# Altium PCB LOGTURTLE_APR_25_TX.PcbDoc (part 5 of 5)
Units mm, origin at the board's own origin, x right, y up, seen from the top; angles counter-clockwise.
Board outline 161.1 x 125.7 mm, 6 copper layers (Top Layer, Mid-Layer 1, Mid-Layer 2, Mid-Layer 3, Mid-Layer 4, Bottom Layer), stack 1.771 mm thick; 253 components, 174 nets, 811 pads, 5842 vias.
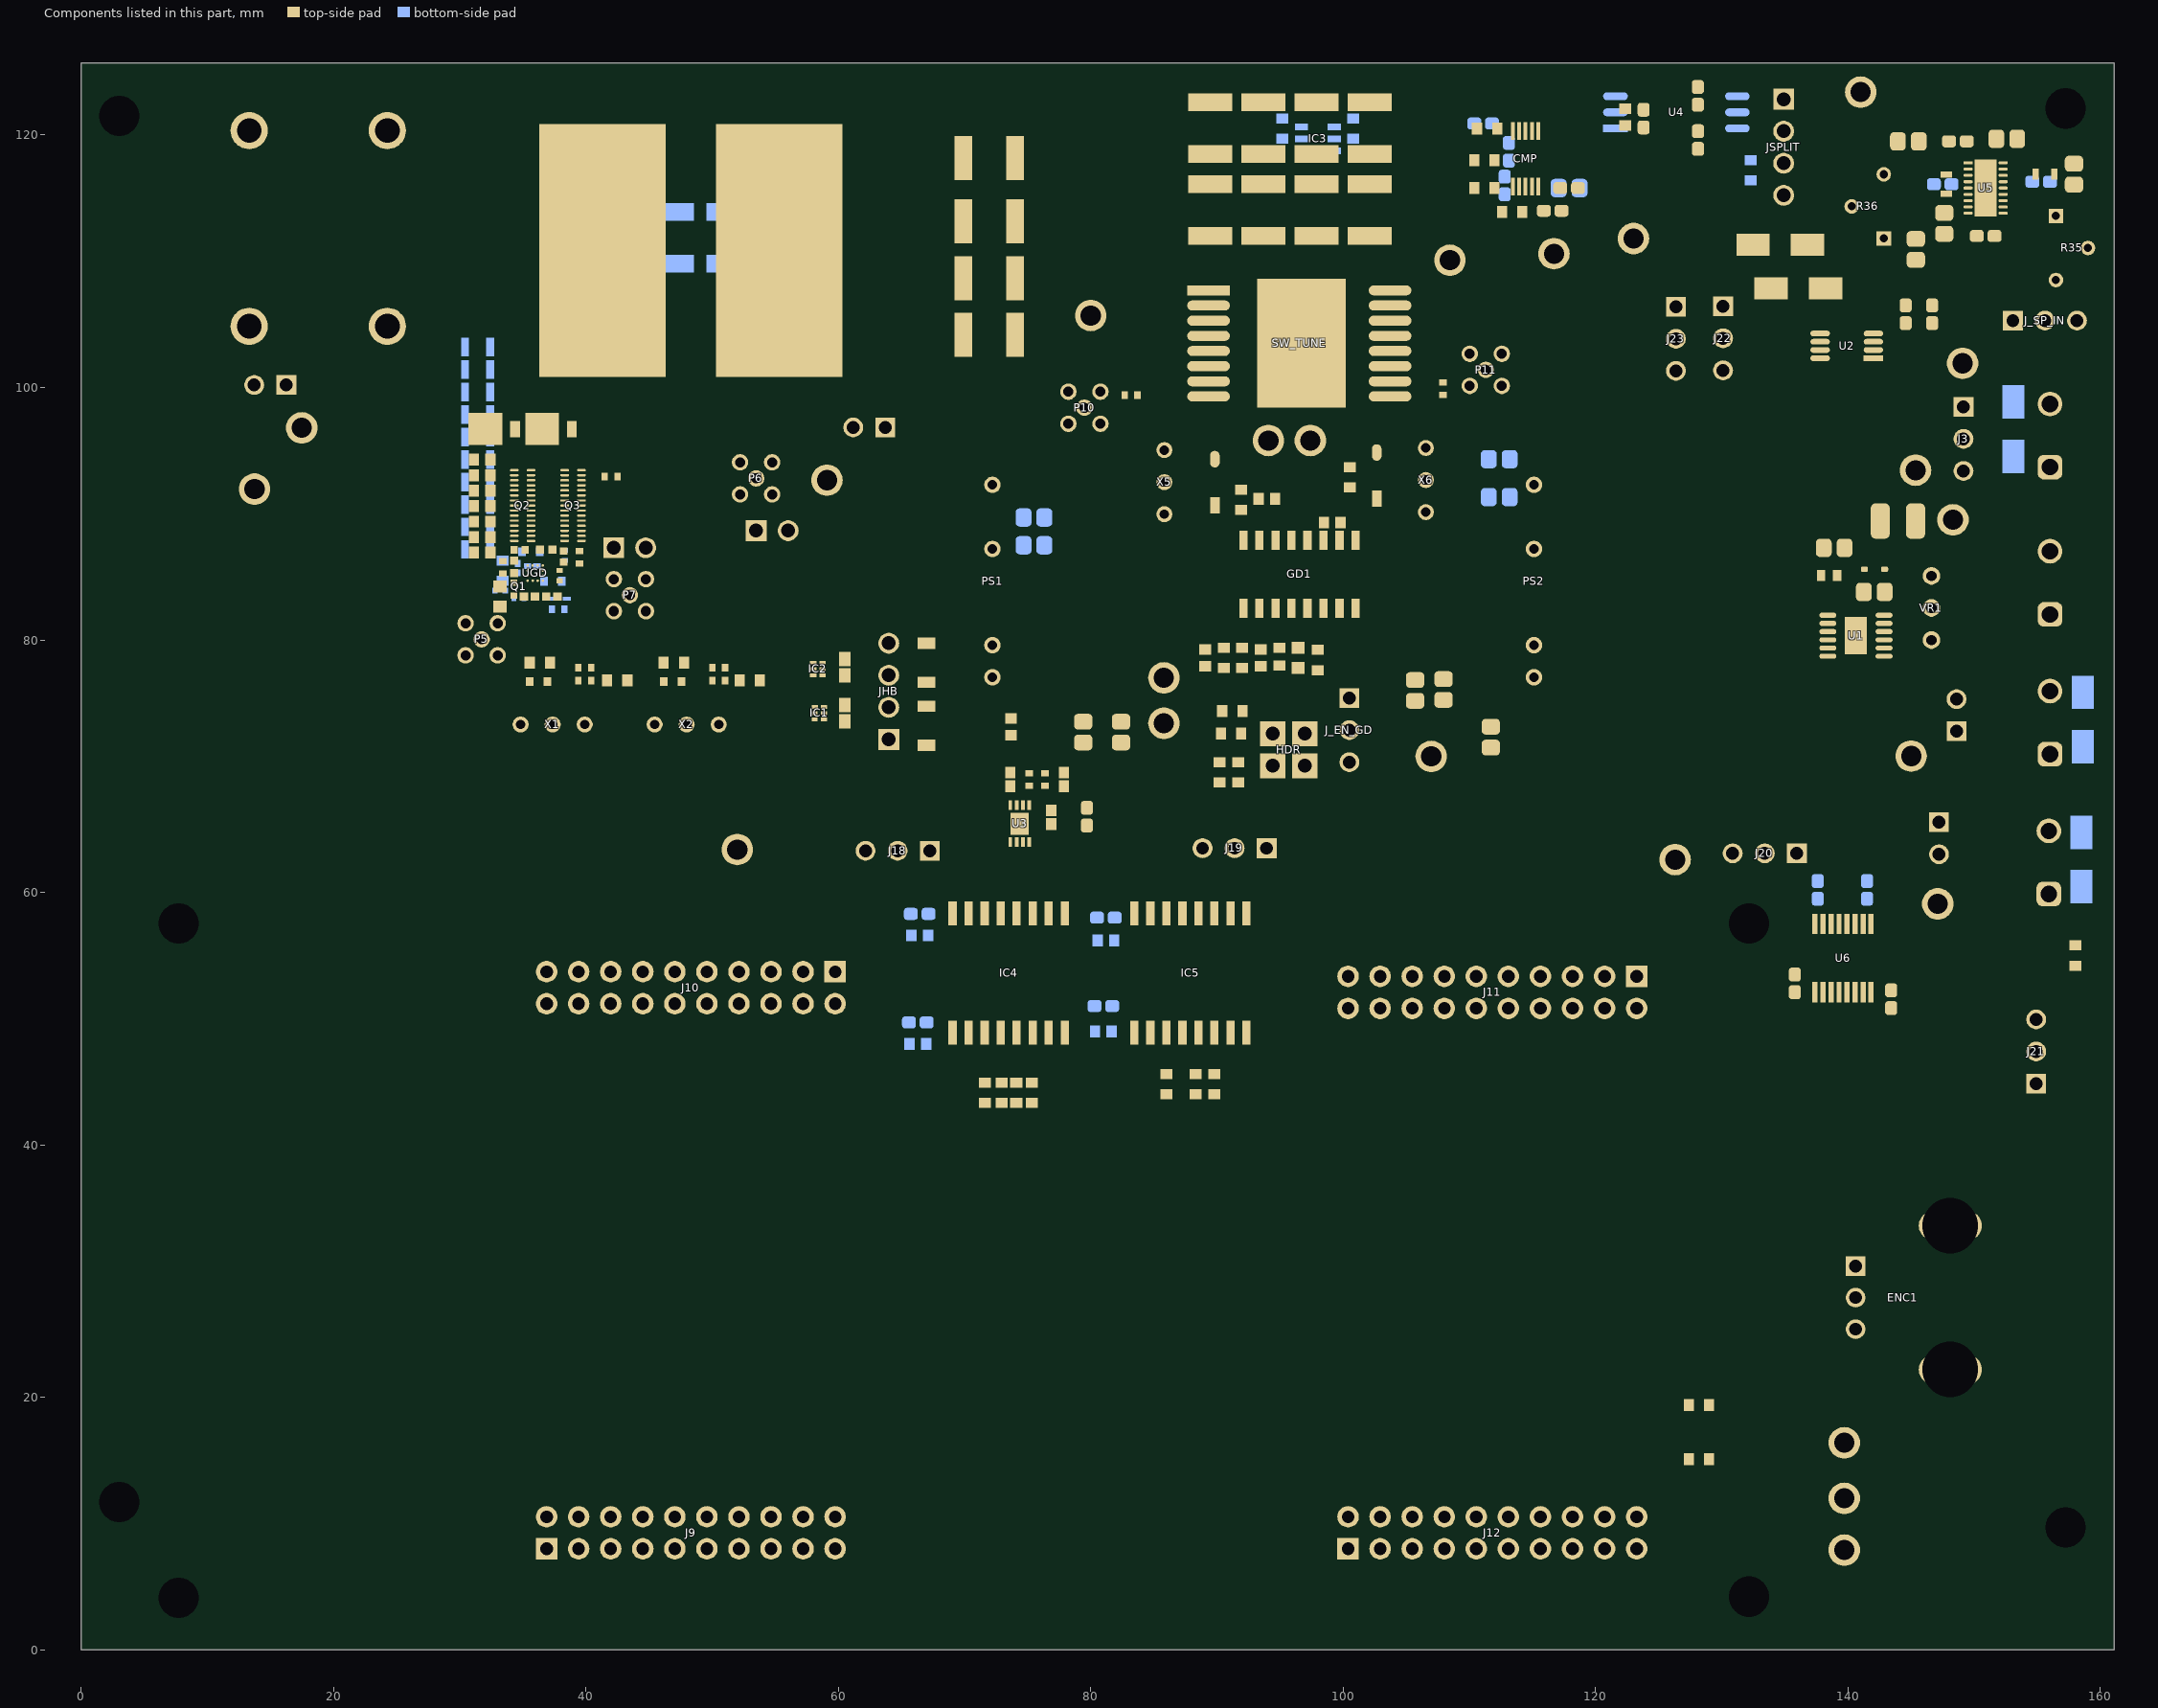
[diagram p9: the components of this part, seen from the top]

## Polygon pours and split planes (outlines as drawn)
S2 on Top Layer "NONET_L01_P-001" (solid, pour order 275): 0,125.7 0,55.3 161.1,55.3 161.1,125.7
S1 on Top Layer "S1_L01_P076" (solid, remove dead copper, pour order 76): 69.35,84.6 95.6,84.6 95.6,98.2 92.7,98.2 92.7,100.9 69.35,100.9
AVDD5V on Top Layer "AVDD5V_L01_P242" (solid, pour order 242): 69.8,78.3 116.6,78.3 116.6,75.052 cw(c114.06,75.052) 115.856,73.256 110.344,67.744 cw(c105.429,74.679) 104,66.3 76.197,66.12 69.8,72.9
GND on Top Layer "NONET_L01_P-001" (solid, pour order 268): 0,54.8 161.1,54.8 161.1,0 0,0
GND on Top Layer "GND_L01_P075" (solid, pour order 75): 0,54.8 161.1,54.8 161.1,0 0,0
SMP1 on Top Layer "SMP1_L01_P230" (solid, pour order 230): 87.7,119.2 87.7,115.4 103.8,115.4 103.8,119.2
NetC1_2 on Top Layer "NONET_L01_P-001" (solid, pour order 266): 142.1,81 143.7,81 143.7,84.195 143.695,84.2 146,84.2 146,82.2 145.2,81.4 145.2,78.8 145.1,78.8 144.3,78 142.1,78
NetC63_2 on Top Layer "NETC63_2_L01_P265" (solid, pour order 265): 145.2,120.2 147.4,120.2 147.4,119.3 149.9,116.8 149.9,115.95 147.55,115.95 145.2,118.2
ADJ- on Top Layer "ADJ-_L01_P251" (solid, pour order 251): 149.7,115.6 146,115.6 146,114.6 149.7,114.6
NetC63_2 on Top Layer "NETC63_2_L01_P264" (solid, pour order 264): 152,115.6 153.7,115.6 155.1,114.2 156.7,104.3 154.6,104.3 152,106.9
SW on Top Layer "SW_L01_P077" (solid, pour order 77): 49.7,125.4 49.7,100.5 51.1,100.5 51.1,95.9 62.5,95.9 62.7,95.7 67,95.7 67,98.2 70.6,101.8 70.6,125.4
S2 on Top Layer "S2_L01_P227" (solid, pour order 227): 102,108.1 103.422,109.522 112.786,109.522 112.786,109.514 115.1,107.2 118.6,107.2 118.6,88.2 115.662,85.262 110.846,85.262 110.846,95.754 105.3,101.3 102,101.3
LDO+ on Top Layer "LDO+_L01_P259" (solid, pour order 259): 158.5,118.3 152,118.3 152,116.8 152.1,116.9 157.6,117.1
ADJ+ on Top Layer "ADJ+_L01_P258" (solid, pour order 258): 152.573,116.85 154.323,115.1 155,115.1 155,116.8
CBST- on Top Layer "CBST-_L01_P257" (solid, pour order 257): 149.8,117.8 149.8,119.9 149.1,119.9 148.9,119.5 148.869,119.331 148.869,117.8
SP+ on Top Layer "SP+_L01_P256" (solid, pour order 256): 152.1,117.9 153,118.8 153,120.3 154.2,120.3 154.3,120.2 154.3,117.9
LDO- on Top Layer "LDO-_L01_P250" (solid, pour order 250): 149.509,114.8 146.9,114.8 146.9,113.3 148.5,113.3
S2 on Top Layer "Top Layer-GND 2" (solid, pour order 214): 15.075,125.7 15.075,69.776 65.875,69.776 65.875,125.7
S2 on Top Layer "S2_L01_P231" (solid, pour order 231): 87.7,121.9 87.7,124.1 103.9,124.1 103.9,121.9
S1 on Top Layer "S1_L01_P215" (solid, pour order 215): 74.4,119.9 76.3,119.9 80.433,116.516 91.3,110.72 91.3,101.218 79.3,101.7 74.5,101.7
VG1 on Top Layer "NONET_L03_P-001" (solid, remove dead copper, pour order 78): 33.5,87.2 33.5,87.925 34.725,87.925 34.725,85.95 33.125,85.95 33.125,86.7
VIN on Top Layer "NONET_L03_P-001" (solid, remove dead copper, pour order 79): 31.725,94.7 31.725,86.475 33,86.475 33,94.7 33.15,94.7
VSW on Top Layer "Top Layer-VSW 1" (solid, pour order 80): 38.118,97.589 38.118,95.101 cw(c38.054,95.101) 38.099,95.056 ccw(c38.099,94.857) 37.9,94.857 37.9,87.625 34.108,87.625 34.108,97.589
VSW on Top Layer "Top Layer-VSW 2" (solid, pour order 82): 46.299,125.629 46.301,100.256 38.578,100.256 ccw(c38.578,99.796) 38.118,99.796 38.118,97.574 34.108,97.574 34.108,101.705 cw(c35.926,101.706) 34.634,102.984 ccw(c33.055,104.546) 35.275,104.546 35.275,125.74
S2 on Top Layer "Top Layer-GND 1" (solid, pour order 84): 29.5,86.13 34.108,86.13 34.108,95.2 29.5,95.2
VG2 on Top Layer "NONET_L03_P-001" (solid, remove dead copper, pour order 212): 37.025,87.475 37.9,88.35 38.65,88.35 38.65,87.775 39.775,87.3 39.746,86.75 37.025,86.75
S2 on Mid-Layer 1 "S2_L02_P276" (solid, pour order 276): 0,125.7 0,55.3 161.1,55.3 161.1,125.7
S2 on Mid-Layer 1 "S2_L02_P269" (solid, pour order 269): 10.4,69.769 65.641,69.769 65.641,84.142 119,84.142 119,107.5 115.3,107.5 109.6,113.2 87.6,113.2 84.2,116.6 84.2,125.7 160.49,125.7 160.5,125.69 160.5,-5.3 10.4,-5.3
S1 on Mid-Layer 1 "S1_L02_P104" (solid, pour order 104): 69.35,84.6 95.6,84.6 95.6,98.2 92.7,98.2 92.7,100.9 69.35,100.9
GND on Mid-Layer 1 "GND_L02_P103" (solid, pour order 103): 0,54.8 161.1,54.8 161.1,0 0,0
S2 on Mid-Layer 1 "Mid-Layer 1-GND " (solid, pour order 226): 10.4,125.7 10.4,69.769 65.641,69.769 65.641,125.7
VSW on Mid-Layer 1 "Mid-Layer 1-VSW 2" (solid, pour order 105): 35.9,85.742 33.334,85.742 ccw(c33.334,85.554) 33.146,85.554 33.146,85.426 cw(c33.066,85.426) 33.066,85.346 32.687,85.346 32.62,85.344 ccw(c32.619,85.255) 32.557,85.318 32.217,85.014 ccw(c32.387,84.844) 32.146,84.844 32.146,83.026 cw(c31.463,83.026) 31.946,82.544 31.7,82.297 cw(c30.846,83.151) 30.846,81.944 30.329,81.944 30.187,81.944 ccw(c30.187,81.502) 29.746,81.502 29.746,78.251 ccw(c30.054,78.251) 30.054,77.944 33.405,77.944 ccw(c33.405,78.285) 33.746,78.285 33.736,82.502 cw(c34.779,82.502) 34.042,83.239 34.109,83.307 cw(c34.154,83.263) 34.154,83.325 34.2,83.325 ccw(c34.2,83.886) 34.596,83.489 35.575,84.468 ccw(c35.405,84.641) 35.648,84.639 35.648,84.874 cw(c35.73,84.874) 35.672,84.933 cw(c35.76,84.933) 35.698,84.996 35.975,85.273 35.992,85.29 ccw(c35.862,85.42) 36.046,85.42 36.046,85.596 ccw(c35.9,85.596)
VSW on Mid-Layer 1 "Mid-Layer 1-VSW 3" (solid, pour order 216): 45.546,113.811 45.546,98.213 cw(c44.846,98.213) 44.846,97.513 38.247,97.513 38.247,95.314 34.106,95.314 34.106,101.731 cw(c35.779,101.731) 34.596,102.914 ccw(c33.026,104.484) 35.246,104.484 35.246,125.7 45.546,125.7
S2 on Mid-Layer 3 "S2_L04_P278" (solid, pour order 278): 0,125.7 0,55.3 161.1,55.3 161.1,125.7
S2 on Mid-Layer 3 "S2_L04_P271" (solid, pour order 271): 10.4,69.769 65.641,69.769 65.641,84.142 119,84.142 119,107.5 115.3,107.5 109.6,113.2 87.6,113.2 84.2,116.6 84.2,125.7 160.49,125.7 160.5,125.69 160.5,-5.3 10.4,-5.3
S2 on Mid-Layer 3 "S2_L04_P228" (solid, pour order 228): 65.641,125.394 65.641,84.542 118.542,84.542 118.6,84.6 118.6,107.2 115.1,107.2 109.5,112.8 87.4,112.8 83.7,116.5 83.7,125.394 83.394,125.394
GND on Mid-Layer 3 "GND_L04_P118" (solid, pour order 118): 0,54.8 161.1,54.8 161.1,0 0,0
S2 on Mid-Layer 3 "Mid-Layer 3-GND" (solid, pour order 125): 11.45,125.7 11.45,69.89 65.859,69.89 65.859,125.7
VIN on Mid-Layer 3 "Mid-Layer 3-VIN" (solid, remove dead copper, pour order 123): 35.853,87.427 35.853,91.283 35.853,125.7 11.175,125.7 11.175,83.459 35.853,83.459
VSW on Mid-Layer 3 "Mid-Layer 3-VSW 2" (solid, pour order 119): 34.268,102.375 35.5,102.375 35.5,125.694 45.259,125.709 45.259,99.948 34.268,99.948
VSW on Mid-Layer 3 "Mid-Layer 3-VSW 1" (solid, pour order 120): 36.557,85.554 36.557,83.476 cw(c35.638,83.476) 36.288,82.826 31.203,77.741 cw(c31.062,77.883) 30.921,77.741 28.53,80.123 cw(c28.708,80.302) 28.53,80.48 31.466,83.416 cw(c31.971,82.912) 31.971,83.625 32.826,83.625 ccw(c32.826,84.257) 33.274,83.81 33.976,84.512 ccw(c33.509,84.979) 34.169,84.979 34.169,100.058 38.209,100.058 38.209,86.404 cw(c37.673,86.404) 37.673,85.869 36.872,85.869 ccw(c36.872,85.554)
VSW on Mid-Layer 3 "Mid-Layer 3-VSW 1" (solid, pour order 222): 36.656,85.541 36.656,83.464 cw(c35.736,83.464) 36.386,82.814 31.301,77.729 cw(c31.16,77.87) 31.019,77.729 28.629,80.11 cw(c28.807,80.289) 28.629,80.467 31.565,83.403 cw(c32.069,82.899) 32.069,83.612 32.925,83.612 ccw(c32.925,84.245) 33.372,83.798 34.074,84.5 ccw(c33.608,84.966) 34.268,84.966 34.268,100.046 38.307,100.046 38.307,86.392 cw(c37.772,86.391) 37.772,85.856 36.971,85.856 ccw(c36.971,85.541)
S2 on Bottom Layer "S2_L06_P280" (solid, pour order 280): 0,125.7 0,55.3 161.1,55.3 161.1,125.7
S2 on Bottom Layer "S2_L06_P243" (solid, pour order 243): 65.641,125.394 65.641,84.542 118.542,84.542 118.6,84.6 118.6,107.2 115.1,107.2 109.5,112.8 87.4,112.8 83.7,116.5 83.7,125.394 83.394,125.394
GND on Bottom Layer "GND_L06_P128" (solid, pour order 128): 0,54.8 161.1,54.8 161.1,0 0,0
S2 on Bottom Layer "Bottom Layer-GND 3" (solid, pour order 224): 65.468,125.771 2.258,125.771 2.258,69.912 65.468,69.912
BYP- on Bottom Layer "BYP-_L06_P273" (solid, pour order 273): 149.9,116.5 147.794,116.5 147.794,115.4 149.9,115.4
VSW on Bottom Layer "Bottom Layer-VSW 3" (solid, pour order 130): 38.541,99.331 38.541,88.023 cw(c38.248,88.023) 38.248,87.729 34.611,87.729 cw(c34.611,88.209) 34.131,88.209 34.131,101.859 cw(c35.803,101.859) 34.621,103.041 ccw(c33.051,104.611) 35.272,104.611 35.272,125.7 46.362,125.7 46.192,99.989 39.2,99.989 ccw(c39.2,99.331)
VIN on Bottom Layer "Bottom Layer-VIN 1" (solid, pour order 160): 31.957,86.797 33.921,86.797 33.921,101.868 ccw(c33.639,101.868) 33.639,102.15 32.267,102.15 ccw(c32.267,101.841) 31.957,101.841
VIN on Bottom Layer "Bottom Layer-VIN 2" (solid, remove dead copper, pour order 131): 15.072,125.7 35.25,125.7 35.25,82.841 15.072,82.841
4.7V on Bottom Layer "NONET_L03_P-001" (solid, remove dead copper, pour order 158): 38.6,86.5 38.6,83.125 36.61,83.125 36.61,85.05 37.5,85.05 37.5,86.5
S2 on Bottom Layer "Bottom Layer-GND 2" (solid, pour order 129): 31.713,104.075 29.5,104.075 29.5,86.45 31.713,86.45
S2 on Mid-Layer 2 "S2_L03_P277" (solid, pour order 277): 0,125.7 0,55.3 161.1,55.3 161.1,125.7
S2 on Mid-Layer 2 "S2_L03_P247" (solid, pour order 247): 65.641,125.394 65.641,84.542 118.542,84.542 118.6,84.6 118.6,107.2 115.1,107.2 109.5,112.8 87.4,112.8 83.7,116.5 83.7,125.394 83.394,125.394
GND on Mid-Layer 2 "GND_L03_P168" (solid, pour order 168): 0,54.8 161.1,54.8 161.1,0 0,0
-20 on Mid-Layer 2 "-20_L03_P270" (solid, pour order 270): 136.404,113.696 136.404,121.7 109.8,121.7 109.8,119.9 123,119.9
+20 on Mid-Layer 2 "+20_L03_P262" (solid, pour order 262): 136.654,124.614 136.654,122.1 113,122.1 115.2,124.614
SP+ on Mid-Layer 2 "SP+_L03_P261" (solid, pour order 261): 133.973,121.3 ccw(c133.873,121.3) 133.873,121.4 153.7,121.4 153.7,114.061 cw(c153.639,114.061) 153.639,114 135.023,119.123 cw(c135.023,120.172) 133.973,120.172 133.873,121.3
SP- on Mid-Layer 2 "SP-_L03_P249" (solid, pour order 249): 133.873,118.92 149.265,114.8 cw(c149.255,114.152) 149.8,113.8 cw(c148,113.7) 148.1,111.9 133.873,116.6
S2 on Mid-Layer 2 "Mid-Layer 2-GND" (solid, pour order 221): 65.897,125.7 9.75,125.7 9.75,69.867 65.897,69.867
S2 on Mid-Layer 4 "S2_L05_P279" (solid, pour order 279): 0,125.7 0,55.3 161.1,55.3 161.1,125.7
S2 on Mid-Layer 4 "S2_L05_P272" (solid, pour order 272): 10.4,69.769 65.641,69.769 65.641,84.142 119,84.142 119,107.5 115.3,107.5 109.6,113.2 87.6,113.2 84.2,116.6 84.2,125.7 160.49,125.7 160.5,125.69 160.5,-5.3 10.4,-5.3
S2 on Mid-Layer 4 "S2_L05_P229" (solid, pour order 229): 65.641,125.394 65.641,84.542 118.542,84.542 118.6,84.6 118.6,107.2 115.1,107.2 109.5,112.8 87.4,112.8 83.7,116.5 83.7,125.394 83.394,125.394
GND on Mid-Layer 4 "GND_L05_P115" (solid, pour order 115): 0,54.8 161.1,54.8 161.1,0 0,0
S2 on Mid-Layer 4 "Mid-Layer 4-GND" (solid, pour order 223): 10.5,125.7 10.5,69.813 65.834,69.813 65.834,125.7

## Keep-outs
Keep-Out Layer:
  circle w1.27: c7.726,4.127 r2.413
  circle w1.27: c7.726,57.55 r2.413
  circle w1.27: c132.159,57.55 r2.413
  circle w1.27: c132.159,4.21 r2.413
  circle w1.27: c157.241,9.7 r2.413
  circle w1.27: c3.041,121.508 r2.413
  circle w1.27: c3.041,11.7 r2.413
  circle w1.27: c157.241,122.108 r2.413

## Other copper
Top Layer:
  pour cut-out: 34.717,83.766 34.371,83.766 34.371,83.275 33.979,83.275 33.797,83.093 33.797,78.571 cw(c33.199,78.571) 33.199,77.973 30.335,77.973 cw(c30.335,78.342) 29.994,78.201 ccw(c29.379,78.202) 29.813,78.637 29.671,78.78 ccw(c29.605,78.846) 29.698,78.846 29.698,81.529 cw(c30.067,81.529) 29.806,81.79 29.907,81.891 cw(c30.477,81.321) 30.478,82.127 31.06,82.127 ccw(c31.06,82.547) 31.358,82.25 ccw(c31.155,82.453) 31.442,82.453 31.442,84.415 cw(c31.748,84.415) 31.531,84.631 32.366,85.466 cw(c32.582,85.251) 32.583,85.556 32.715,85.688 ccw(c32.098,86.305) 32.97,86.305 31.893,86.305 ccw(c31.892,85.752) 31.5,86.142 31.483,86.125 ccw(c31.602,86.005) 31.433,86.004 31.433,85.65 cw(c31.072,85.649) 31.327,85.394 31.088,85.155 ccw(c34.984,83.541) 30.775,83.275 cw(c29.488,83.836) 29.987,82.524 29.429,82.171 ccw(c30.324,81.276) 29.058,81.275 29.058,79.13 ccw(c30.399,78.904) 29.291,78.115 ccw(c30.158,78.328) 29.806,77.507 33.453,77.507 ccw(c32.428,78.988) 34.202,78.678 34.169,82.606 34.333,82.825 34.393,82.86 ccw(c34.294,83.269) 34.689,83.125 34.689,83.714 cw(c34.964,83.6)
  pour cut-out: 91.05,109.15 91.1,109.2 102.025,109.2 102.025,97.8 101.95,97.725 91,97.725
  pour cut-out: 66.225,84.142 66.225,93 66.1,93 66.1,84.2 66.2,84.2
  pour cut-out: 36.976,85.897 37,85.873 37,85.25 36.65,84.9 35.55,84.9 35.525,84.925 35.525,85.725 35.7,85.9 35.79,85.9
Mid-Layer 1:
  pour cut-out: 10.4,84.626 10.25,84.626 10.25,125.7 10.4,125.7
Mid-Layer 2:
  pour cut-out: 69.35,100.9 69.35,85.15 70.1,84.4 102.7,84.4 102.7,89.7 93.2,100.9
  pour cut-out: 9.75,125.7 9.25,125.7 9.25,84.626 9.75,84.626
Mid-Layer 3:
  pour cut-out: 69.35,100.9 69.35,85.15 70.1,84.4 102.7,84.4 102.7,89.7 93.2,100.9
Mid-Layer 4:
  pour cut-out: 69.35,100.9 69.35,85.15 70.1,84.4 102.7,84.4 102.7,89.7 93.2,100.9
  pour cut-out: 10,125.95 10,84.7 10.416,84.7 10.416,125.95
  pour cut-out: 10.25,125.7 10.25,84.45 10.416,84.45 10.416,125.7
  pour cut-out: 65.834,125.7 65.834,84.45 66,84.45 66,125.7
Bottom Layer:
  pour cut-out: 34.04,87.863 34.026,87.85 33.275,87.85 33.275,86.85 33.125,86.7 32.35,86.7 32.325,86.675 32.325,85.616 cw(c30.96,85.616) 31.925,84.65 31.925,82 33.753,82 33.898,82.16 33.89,83.1 34.088,83.24 34.654,83.237 36.61,83.226 36.614,82.051 38.7,82.049 38.7,83.1 36.61,83.1 36.61,83.8 37.725,83.8 37.725,87.8 37.675,87.8
  pour cut-out: 69.35,100.9 69.35,85.15 70.1,84.4 102.7,84.4 102.7,89.7 93.2,100.9
  pour cut-out: 57.6,113.2 57.6,118.6 53.5,118.6 49.5,114.6 49.5,113.2
  region net SW: 58.1,120.1 58.1,112.6 39.3,112.6 39.2,112.7 39.2,115.4 45.8,115.4 50.5,120.1
  pour cut-out: 65.709,125.7 65.709,84.7 66.25,84.7 66.25,125.7
  text "RTR 2026-04-01 JS" at 134.577,37.027 h2 r90
Multi-Layer:
  pour cut-out: 104.6,122 104.2,122 104.2,125.7 104.6,125.7
  pour cut-out: 104.6,118.1 104.2,118.1 104.2,120.554 104.6,120.554
  pour cut-out: 0,54.8 161.1,54.8 161.1,55.3 0,55.3
  pour cut-out: 115.1,107.2 109.5,112.8 104.2,112.8 104.2,116.7 104.6,116.7 104.6,113.2 109.6,113.2 115.3,107.5 119,107.5 119,107.2
  pour cut-out: 119,107.2 119,84.142 118.6,84.142 118.6,107.2
  pour cut-out: 32.825,84.226 0,84.226 0,84.626 32.825,84.626
  pour cut-out: 118.8,84.142 45.883,84.142 45.883,84.542 118.8,84.542

## Silkscreen, mask and mechanical layers (free items; w line width, h text height)
Top Overlay:
  lines w0.127: 154.33,102.6 154.33,103.965 ; 157.1,102.683 157.1,103.918 ; 140.9,68.2 160.4,68.2 ; 140.9,68.2 140.9,79.2 160.4,79.2 ; 140.9,68.2 160.4,68.2 ; 140.9,68.2 140.9,57 160.4,57 160.4,68.2 ; 160.4,68.2 160.4,79.2 ; 160.4,79.2 135.2,79.2 135.2,90.8 160.4,90.8 160.4,79.2 ; 75.7,67.944 77.025,67.944 77.025,72.2 75.7,72.2 75.7,67.944 ; 129.3,113.2 138.2,113.2 138.2,124.9 129.3,124.9 129.3,113.2 ; 139.2,91.9 150.5,91.9 150.5,100 139.2,100 139.2,91.9 ; 151.6,102.6 159.6,102.6 159.6,103.965 151.6,103.965 151.6,102.6
  lines w0.15: 37,88.4 37,94.1
  lines w0.2: 5.456,1.967 134.862,1.967 134.862,59.873 5.456,59.873 5.456,1.967
  lines w0.254: 60.7,64.635 60.7,68.7 61.4,69.4 67.9,69.4 68.7,68.6 68.7,64.635 ; 63.4,64.7 63.4,69.4 ; 65.97,64.635 65.97,69.27 ; 87.4,62.165 87.4,60.9 87.9,60.4 94.8,60.4 95.4,61 95.4,62.165 ; 90.1,60.466 90.1,62.1 ; 92.67,60.43 92.67,62.165 ; 129.3,125.4 129.306,125.394 ; 138.8,125.4 138.8,119.8 143.6,119.8 143.6,125.4 ; 66.8,101 66.8,121.5 76.1,121.5 76.1,101 66.8,101 ; 82.9,110.1 105.1,110.1 105.1,124.4 82.9,124.4 82.9,110.1
  lines w0.457: 129.3,125.4 129.3,113.2 135.2,107.3 135.2,90.8 135.2,79.2 135.2,62.7 140.9,57 160.4,57 160.4,125.294 160.4,125.394 129.306,125.394
  text "+20" at 129.7,122.316 h1.52
  text "GND" at 139,120.221 h2.03
  text "C2" at 86.8,119.8 h1.52 r90
  text "SP+" at 129.7,119.716 h1.52
  text "SP-" at 129.8,117.216 h1.52
  text "-20" at 129.7,114.616 h1.52
  text "C1" at 86.8,113.7 h1.52 r90
  text "Cap Divider" at 84.598,113.6 h1.7 r90
  text "Negative Tune" at 138.599,109.091 h1.02 r0.2
  text "Positive Tune" at 154.689,108 h1.02 r90.2
  text "Split Supply" at 151.105,103.7 h0.51 r90
  text "Ground" at 157.5,103.405 h0.51
  text "5V" at 151.9,103.305 h0.51
  text "Input" at 155.2,103.09 h0.51
  text "Disable" at 157.5,102.905 h0.51
  text "Enable" at 151.9,102.805 h0.51
  text "Tuning Capacitance" at 65.981,101.1 h1.7 r90
  text "EXT" at 139.7,97.9 h2.03
  text "AVDD5V" at 139.7,95.321 h2.03
  text "REG" at 139.7,92.621 h2.03
  text "AVDD5VREG" at 137.179,79.5 h2.03 r90
  text "Regulator" at 76.205,70.1 h0.51 r90
  text "Bypass" at 76.705,70.1 h0.51 r90
  text "FRACTIONAL SWITCH" at 141.789,68.8 h1.02 r90
  text "SUPPLY BYPASS" at 142.689,68.8 h1.02 r90
  text "AGND" at 62.089,65.6 h1.02 r90
  text "LOW" at 63.089,65.6 h1.02 r90
  text "AVDD5V" at 67.489,65.6 h1.02 r90
  text "HIGH" at 68.289,65.6 h1.02 r90
  text "PWM EN" at 65.1,65.5 h1.02 r90
  text "DC Supplies" at 138.758,62.5 h3.05 r90
  text "LOW" at 87.8,61.111 h1.02
  text "CMP" at 90.3,61.111 h1.02
  text "HIGH" at 92.89,61.111 h1.02
  text "CLSD" at 129.6,60.711 h1.02
  text "SCK" at 132.5,60.711 h1.02
  text "DIN" at 134.8,60.7 h1.02
  text "EN" at 90.7,60.4 h1.02
  text "H BRIDGE" at 141.789,57.9 h1.02 r90
  text "SUPPLY BYPASS" at 142.689,57.9 h1.02 r90
  text "CLSD" at 157.489,48.6 h1.02 r90
  text "SCK" at 157.489,46.3 h1.02 r90
  text "DIN" at 157.5,43.5 h1.02 r90
  text "Tyndall Logturtle Power TX" at 135.5,34.9 h5.08
  text "Populate this resistor to short analog and digital ground" at 159.809,31.8 h1.02 r90
  text "DGND" at 142.5,15.626 h2.54
  text "DVDD5V" at 142.5,11.126 h2.54
  text "DVDD3V" at 142.5,7.028 h2.54
Bottom Overlay:
  lines w0.254: 38.5,107.7 59,107.7 59,117 38.5,117 38.5,107.7
  text "Fixed Capacitance" at 59,117.302 h1.7
Board Shape:
  lines w0.15: 0,125.7 161.1,125.7 ; 5.1,1.117 136.1,1.117